# KiCad board SuperBrick2.kicad_pcb (continued)
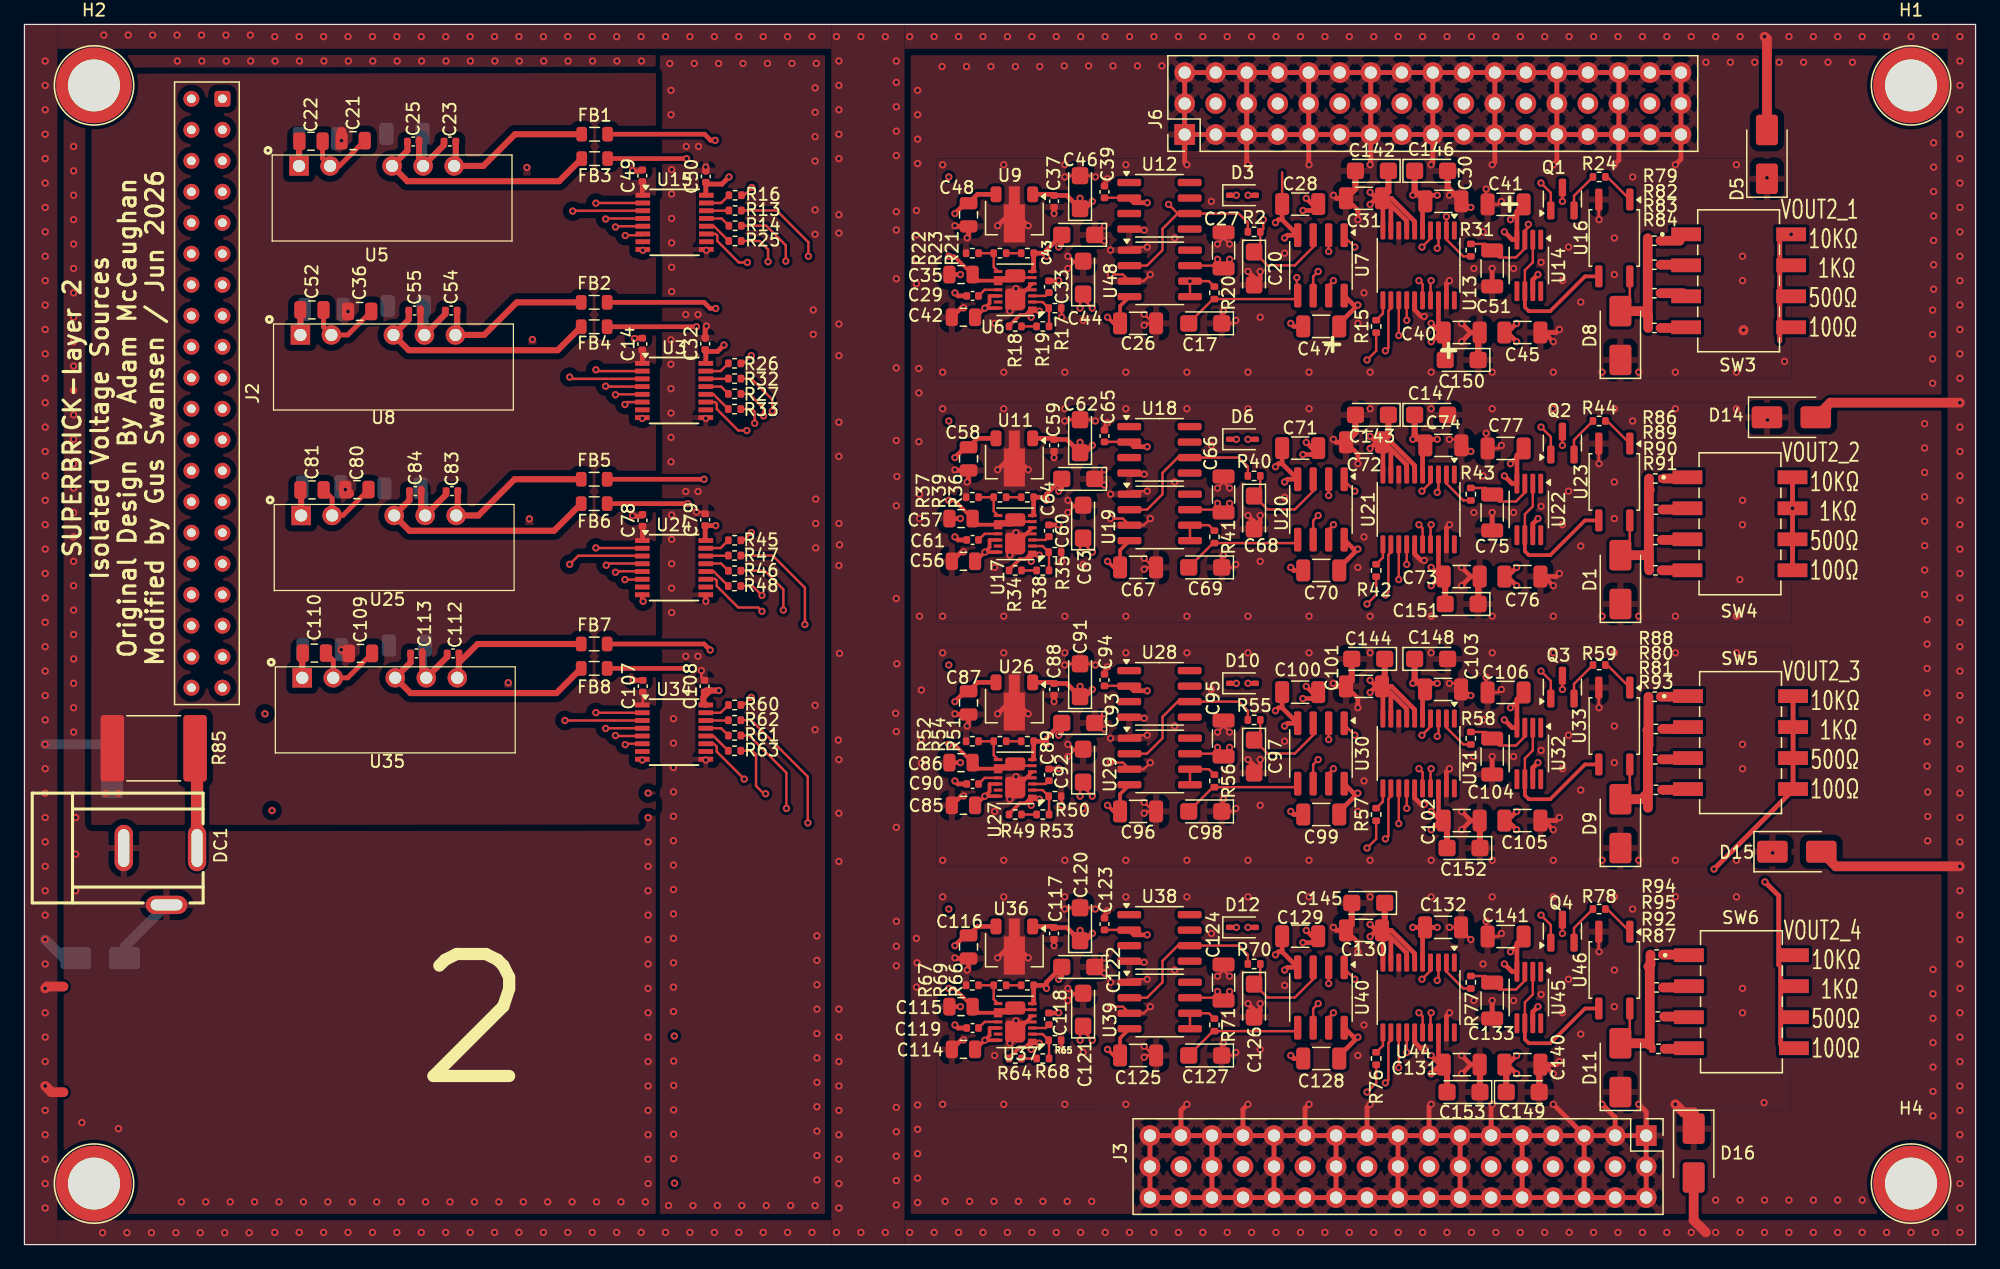
[diagram p0: board, top side]
## Routing (per net, layer and track width the routed paths; a pad name or vN(x,y) marks a point on that pad's centre or on a via; arc(x,y) is an arc through that point) (continued)
(no net):
  vias: v1(53.22,17.09) v1(53.24,5.03)
/CS1_2: length 37.6
  Top w0.2: U15.3 44.93,84.73 v1(44.9,84.7)
  In2.Cu w0.2: v1(44.9,84.7) 44.5,85.1 14.86,85.1 J2.8
  In4.Cu w0.2: 13.68,86.28 J2.8 13.67,86.28
/CS1_4: length 0
  In4.Cu w0.2: J2.10 13.64,83.74
/CS2_2: length 38
  Top w0.2: U3.3 44.8,70.95 v1(44.65,71.1)
  In2.Cu w0.2: J2.18 15.26,72 28.9,72 29.8,71.1 v1(44.65,71.1)
/CS2_5: length 0.1
  In2.Cu w0.2: 16.32,68.4 J2.21
/CS3_2: length 38.3
  Top w0.2: 50.6,56.45 45.35,56.45 v1(44.65,55.75)
  In2.Cu w0.2: J2.30 15.26,56.75 18.73,56.75 19.73,55.75 v1(44.65,55.75)
/CS4_2: length 40.3
  Top w0.2: 44.1,42.95 v1(44.27,42.95) U34.3
  In2.Cu w0.2: J2.36 14.63,49.77 16.29,49.77 22.47,43.59 43.63,43.59 v1(44.27,42.95)
/CS4_6: length 0.1
  In2.Cu w0.2: J2.40 13.76,45.64
/Isolated DAC1/+IN: length 4.4
  Top w0.2: R31.1 117.84,80.99 116.45,82.38 U13.2 v1(116.45,84.25)
/Isolated DAC1/+IN_LP: length 7.3
  Top w0.2: v1(123.16,83.62) 123.16,83.38 122.87,83.09 U14.3 122.87,81.63 122.14,80.9 120.77,80.9 C51.1 119.67,82.01 R31.2
/Isolated DAC1/AD5781-1/RELAY: length 69.1
  Top w0.2: R16.2 58.94,86 v1(59.57,86.63) ; Q1.1 125,86.2 v1(124.2,87)
  In4.Cu w0.2: v1(124.2,87) 123.45,87.75 91.58,87.75 90.58,86.75 74.7,86.75 v1(59.57,86.63)
/Isolated DAC1/AD5781-1/SCLK: length 60.5
  Top w0.2: R14.2 60.75,83.5 62.35,81.9 v1(62.35,80.6) ; v1(112.55,74.5) U13.13
  In4.Cu w0.2: v1(62.35,80.6) 75,74 112.05,74 v1(112.55,74.5)
/Isolated DAC1/AD5781-1/SDIN: length 60.2
  Top w0.2: R25.2 60.2,82.25 60.9,81.55 v1(60.9,80.55) ; U13.12 111.9,76.73 111.7,76.53 111.7,73.5 v1(111.45,73.25)
  In4.Cu w0.2: v1(111.45,73.25) 74.5,73.25 v1(60.9,80.55)
/Isolated DAC1/AD5781-1/SDO: length 59.9
  Top w0.2: U15.11 56.61,82.82 56.74,82.69 56.74,82.25 58.5,80.49 v1(59.2,80.49) ; R15.1 110.7,73.25 v1(109.95,72.5)
  In4.Cu w0.2: v1(59.2,80.49) 74,72.5 v1(109.95,72.5)
/Isolated DAC1/AD5781-1/VBUF: length 13.2
  Top w0.2: U14.6 122.87,79.85 123.52,80.5 U14.2
  Top w0.3: U16.3 127.8,79.35 124.95,76.5 123.2,76.5 122.87,76.82 U14.6
/Isolated DAC1/AD5781-1/~{SYNC}: length 60.4
  Top w0.2: R13.2 61.6,84.75 64.2,82.15 v1(64.2,81) ; v1(113.2,75.75) U13.14
  In4.Cu w0.2: v1(64.2,81) 75.5,74.75 111.56,74.75 112.56,75.75 v1(113.2,75.75)
/Isolated DAC1/VREFNEG1: length 3.5
  Top w0.2: U48.5 v1(95.45,78.96) 97,78.96 R20.1
/Isolated DAC1/VREFNEG2: length 11.5
  Top w0.2: v1(104.2,79.25) 104.2,77.84 U7.5 103.98,77.49 R20.2 97.34,77.49 C17.2
  In2.Cu w0.2: 104.1,79.35 v1(104.2,79.25)
/Isolated DAC1/VREFPOS1: length 14.6
  Top w0.2: U48.2 91.93,80.23 93.2,81.5 93.2,83.25 94.45,84.5 ; 94.45,84.5 U12.6 99.45,84.5 100.19,83.76 R2.1 ; 94.45,84.5 v1(93.7,85.25)
/Isolated DAC1/VREFPOS2: length 9.9
  Top w0.2: v1(101.45,84) 101.45,83.24 R2.2 101.21,81.86 C20.1 101.8,80.25 104.04,80.25 105.54,81.75 U7.3
/Isolated DAC2/+IN: length 3.3
  Top w0.2: U21.2 116.45,62.38 117.84,60.99 R43.1
/Isolated DAC2/+IN_LP: length 5.9
  Top w0.2: R43.2 119.67,62.01 C75.1 120.77,60.9 122.14,60.9 122.87,61.63 U22.3
/Isolated DAC2/AD5781-1/RELAY: length 70.3
  Top w0.2: v1(59.53,72.85) 58.89,72.22 R26.2 ; v1(124.2,67) 125,66.2 Q2.1
  In4.Cu w0.2: v1(124.2,67) 123.45,67.75 91.58,67.75 90.58,66.75 74.7,66.75 60.1,72.85 v1(59.53,72.85)
/Isolated DAC2/AD5781-1/SCLK: length 63.9
  Top w0.2: v1(112.55,54.5) U21.13 ; v1(60.53,67.92) 60.53,68.54 59.35,69.72 R27.2
  In4.Cu w0.2: v1(112.55,54.5) 112.05,54 74.9,54 61.19,67.71 60.99,67.71 60.78,67.92 v1(60.53,67.92)
/Isolated DAC2/AD5781-1/SDIN: length 64
  Top w0.2: v1(111.45,53.25) 111.7,53.5 111.7,56.53 111.9,56.73 U21.12 ; R33.2 59.59,68.47 59.8,68.26 v1(59.8,67.32)
  In4.Cu w0.2: v1(59.8,67.32) 60.63,67.32 74.7,53.25 v1(111.45,53.25)
/Isolated DAC2/AD5781-1/SDO: length 63.7
  Top w0.2: v1(59.16,66.72) 58.46,66.72 56.7,68.47 56.7,68.91 56.56,69.05 U3.11 ; R42.1 110.7,53.25 v1(109.95,52.5)
  In4.Cu w0.2: v1(109.95,52.5) 74.7,52.5 59.98,66.72 v1(59.16,66.72)
/Isolated DAC2/AD5781-1/VBUF: length 13.2
  Top w0.2: U22.2 123.52,60.5 122.87,59.85 U22.6
  Top w0.3: U22.6 122.87,56.83 123.2,56.5 124.95,56.5 127.8,59.35 U23.3
/Isolated DAC2/AD5781-1/~{SYNC}: length 63.9
  Top w0.2: v1(113.2,55.75) U21.14 ; R32.2 59.53,70.97 61.24,69.26 v1(61.24,68.31)
  In4.Cu w0.2: v1(61.24,68.31) 61.69,68.31 75.25,54.75 111.56,54.75 112.56,55.75 v1(113.2,55.75)
/Isolated DAC2/VREFNEG1: length 3.5
  Top w0.2: R41.1 97,58.96 U19.6 U19.5
/Isolated DAC2/VREFNEG2: length 9.9
  Top w0.2: C69.2 97.34,57.49 R41.2 103.98,57.49 U20.5
/Isolated DAC2/VREFPOS1: length 13.6
  Top w0.2: R40.1 100.19,63.76 99.45,64.5 U18.6 94.45,64.5 93.2,63.25 93.2,61.5 91.93,60.23 U19.2
/Isolated DAC2/VREFPOS2: length 8.8
  Top w0.2: R40.2 101.21,61.86 C68.1 101.8,60.25 104.04,60.25 105.54,61.75 U20.3
/Isolated DAC3/+IN: length 3.3
  Top w0.2: U31.2 116.45,42.38 117.84,40.99 R58.1
/Isolated DAC3/+IN_LP: length 5.9
  Top w0.2: U32.3 122.87,41.63 122.14,40.9 120.77,40.9 C104.1 119.67,42.01 R58.2
/Isolated DAC3/AD5781-1/RELAY: length 73.3
  Top w0.2: v1(124.2,47) 125,46.2 Q3.1 ; v1(59.53,58.35) 58.89,57.72 R45.2
  In4.Cu w0.2: v1(124.2,47) 123.45,47.75 91.58,47.75 90.58,46.75 74.2,46.75 60.1,58.35 v1(59.53,58.35)
/Isolated DAC3/AD5781-1/SCLK: length 68.6
  Top w0.2: R46.2 60.63,55.22 62.15,53.7 v1(62.15,52) ; v1(112.55,34.5) U31.13
  In4.Cu w0.2: v1(112.55,34.5) 112.05,34 75,34 v1(62.15,52)
/Isolated DAC3/AD5781-1/SDIN: length 67.8
  Top w0.2: v1(60.4,53.2) 59.63,53.97 R48.2 ; v1(111.45,33.25) 111.7,33.5 111.7,36.53 111.9,36.73 U31.12
  In4.Cu w0.2: v1(60.4,53.2) 74.5,33.25 v1(111.45,33.25)
/Isolated DAC3/AD5781-1/SDO: length 68.1
  Top w0.2: v1(60.4,51.9) 60.08,52.22 58.46,52.22 56.7,53.97 56.7,54.41 56.56,54.55 55.8,54.55 ; R57.1 110.7,33.25 v1(109.95,32.5)
  In4.Cu w0.2: v1(109.95,32.5) 74,32.5 v1(60.4,51.9)
/Isolated DAC3/AD5781-1/VBUF: length 13.2
  Top w0.2: U32.6 122.87,39.85 123.52,40.5 U32.2
  Top w0.3: U33.3 127.8,39.35 124.95,36.5 123.2,36.5 122.87,36.83 U32.6
/Isolated DAC3/AD5781-1/~{SYNC}: length 68.9
  Top w0.2: v1(63.92,50.82) 63.92,53.83 61.28,56.47 R47.2 ; v1(113.2,35.75) U31.14
  In4.Cu w0.2: 63.9,50.8 75.5,34.75 111.56,34.75 112.56,35.75 v1(113.2,35.75)
/Isolated DAC3/VREFNEG1: length 3.5
  Top w0.2: R56.1 97,38.96 U29.6 U29.5
/Isolated DAC3/VREFNEG2: length 9.9
  Top w0.2: C98.2 97.34,37.49 R56.2 103.98,37.49 104.27,37.77
/Isolated DAC3/VREFPOS1: length 13.6
  Top w0.2: U29.2 91.93,40.23 93.2,41.5 93.2,43.25 94.45,44.5 U28.6 99.45,44.5 100.19,43.76 R55.1
/Isolated DAC3/VREFPOS2: length 8.8
  Top w0.2: U30.3 105.54,41.75 104.04,40.25 101.8,40.25 C97.1 101.21,41.86 R55.2
/Isolated DAC4/+IN: length 3.3
  Top w0.2: U44.2 116.45,22.38 117.84,20.99 R77.1
/Isolated DAC4/+IN_LP: length 5.9
  Top w0.2: R77.2 119.67,22.01 C133.1 120.77,20.9 122.14,20.9 122.87,21.63 U45.3
/Isolated DAC4/AD5781-1/RELAY: length 77.7
  Top w0.2: v1(124.2,27) 125,26.2 Q4.1 ; v1(59.53,44.85) 58.89,44.22 R60.2
  In4.Cu w0.2: v1(124.2,27) 123.45,27.75 91.58,27.75 90.58,26.75 74.7,26.75 59.85,44.85 v1(59.53,44.85)
/Isolated DAC4/AD5781-1/SCLK: length 74.2
  Top w0.2: v1(62.4,35.75) 62.4,38.67 59.35,41.72 R61.2 ; v1(112.55,14.5) U44.13
  In4.Cu w0.2: v1(112.55,14.5) 112.05,14 74,14 v1(62.4,35.75)
/Isolated DAC4/AD5781-1/SDIN: length 74.2
  Top w0.2: U44.12 111.9,16.73 111.7,16.53 111.7,13.5 v1(111.45,13.25) ; R63.2 59.59,40.47 59.91,40.14 59.91,37.59 60.55,36.95 v1(60.7,36.95)
  In4.Cu w0.2: v1(60.7,36.95) 73.5,13.25 v1(111.45,13.25)
/Isolated DAC4/AD5781-1/SDO: length 73.3
  Top w0.2: v1(58.95,38.15) 56.7,40.4 56.7,40.8 56.45,41.05 U34.11 ; v1(109.95,12.5) 110.7,13.25 R76.1
  In4.Cu w0.2: v1(58.95,38.15) 73,12.5 v1(109.95,12.5)
/Isolated DAC4/AD5781-1/VBUF: length 13.2
  Top w0.2: U45.6 122.87,19.85 123.52,20.5 U45.2
  Top w0.3: U45.6 122.87,16.83 123.2,16.5 124.95,16.5 127.8,19.35 U46.3
/Isolated DAC4/AD5781-1/~{SYNC}: length 74.2
  Top w0.2: v1(113.2,15.75) U44.14 ; R62.2 59.53,42.97 64.15,38.35 64.15,34.57 v1(64.16,34.56)
  In4.Cu w0.2: 64.15,34.55 74.7,14.75 111.56,14.75 112.56,15.75 v1(113.2,15.75)
/Isolated DAC4/VREFNEG1: length 3.5
  Top w0.2: U39.5 U39.6 97,18.96 R71.1
/Isolated DAC4/VREFNEG2: length 9.9
  Top w0.2: 104.27,17.77 103.98,17.49 R71.2 97.34,17.49 C127.2
/Isolated DAC4/VREFPOS1: length 13.6
  Top w0.2: R70.1 100.19,23.76 99.45,24.5 U38.6 94.45,24.5 93.2,23.25 93.2,21.5 91.93,20.23 U39.2
/Isolated DAC4/VREFPOS2: length 8.8
  Top w0.2: U40.3 105.54,21.75 104.04,20.25 101.8,20.25 C126.1 101.21,21.86 R70.2
/OUTPUT_EN: length 57.5
  Top w0.2: v1(46.8,43.6) 46.81,43.59 U34.2 ; 50.6,57.09 46.81,57.09 v1(46.8,57.1) ; U3.2 46.91,71.59 v1(46.8,71.7) ; v1(46.8,85.35) 46.81,85.36 U15.2
  In4.Cu w0.2: 46.8,70.35 46.8,70 ; 46.8,70 v1(46.8,57.1) v1(46.8,43.6) ; 46.8,70 v1(46.8,71.7) ; v1(46.8,71.7) v1(46.8,85.35) ; v1(46.8,71.7) 46.8,71.58
/SCLK: length 87.1
  Top w0.2: 50.6,55.82 47.79,55.82 v1(47.65,55.67) ; v1(47.6,70.35) 47.62,70.32 48.03,70.32 48.04,70.32 U3.4 ; v1(47.6,42.3) 47.62,42.32 U34.4 ; v1(47.6,84.05) 47.64,84.09 U15.4
  In2.Cu w0.2: v1(47.6,70.35) 43.35,66.1 16.36,66.1 J2.23
  In4.Cu w0.2: v1(47.6,84.05) v1(47.6,70.35) 47.6,55.72 v1(47.65,55.67) 47.6,55.62 v1(47.6,42.3)
/SDIN: length 87.8
  Top w0.2: U15.5 48.46,83.46 v1(48.4,83.4) ; v1(48.4,41.72) 48.6,41.72 48.63,41.68 U34.5 ; U3.5 48.63,69.68 48.6,69.65 v1(48.4,69.65) ; 50.6,55.18 48.71,55.18 48.62,55.1 v1(48.4,55.1)
  In2.Cu w0.2: J2.24 14.34,65.29 15.53,65.29 15.82,65 16.61,65 16.9,65.29 44.24,65.29 48.4,69.45 v1(48.4,69.65)
  In4.Cu w0.2: v1(48.4,83.4) v1(48.4,69.65) v1(48.4,55.1) v1(48.4,41.72)
/SDO: length 82.9
  Top w0.2: v1(49.2,40.97) 49.27,41.05 U34.6 ; 50.6,54.55 50.55,54.5 v1(49.17,54.5) ; U15.6 50.54,82.72 49.22,82.72 v1(49.2,82.7) ; v1(49.17,68.85) 49.37,69.05 U3.6
  In2.Cu w0.2: v1(49.17,68.85) 44.83,64.5 17.29,64.5 J2.25
  In4.Cu w0.2: v1(49.2,40.97) 49.2,54.47 v1(49.17,54.5) 49.2,54.52 49.2,68.82 v1(49.17,68.85) 49.2,68.88 v1(49.2,82.7)
/VOUT1: length 12.9
  Top w0.2: U16.4 131.47,77.27 D8.2
  Top w0.8: 132.94,76.12 132.97,76.1 R84.1 ; 132.94,76.12 132.56,76.5 D8.2 ; 132.94,76.12 132.94,82.47
/VOUT2: length 13.8
  Top w0.2: D1.2 131.47,57.27 U23.4
  Top w0.8: 133.03,55.97 133.03,61.79 ; 133.03,55.97 133.03,55.46 ; 133.03,55.97 133.06,55.95 R91.1 ; 133.03,61.79 133.11,61.86 ; 133.03,61.79 133.03,62.06 133.04,62.07 R86.1 ; 133.03,56.77 132.77,56.5 D1.2
/VOUT2_1_MUX: length 46.2
  Top w0.2: v1(144.68,82.8) 145.53,82.8
  Top w0.4: 143.75,82.45 143.75,74.06
  In2.Cu w0.4: J6.23 114.09,92.23 115.85,92.23 116.6,91.48 116.6,90.48 119.9,87.18 121.5,87.18 122.38,86.3 126.97,86.3 127.17,86.1 141.47,86.1 141.47,86.01 v1(144.68,82.8)
/VOUT2_2_MUX: length 81.6
  Top w0.4: SW4.8 SW4.5
  In2.Cu w0.4: v1(144.79,60.34) 144.79,68.12 143.12,69.79 105.2,69.79 102.5,72.49 102.5,82.81 103.89,84.2 103.89,92.27 J6.11
/VOUT2_3_MUX: length 82.8
  Top w0.4: v1(138.37,30.78) 144.84,37.25 SW5.5 SW5.8
  In2.Cu w0.4: v1(138.37,30.78) 98.37,30.78 95.96,28.37 95.96,7.64 J3.47
/VOUT2_4_MUX: length 75.9
  Top w0.4: 143.82,16.44 143.82,22.78 143.67,22.94 143.67,28.59 v1(142.53,29.72)
  In2.Cu w0.4: v1(142.53,29.72) 105.43,29.72 103.9,28.19 103.9,20.5 104.4,20 104.4,10.23 103.62,9.45 103.62,7.64 J3.35
/VOUT3: length 16.1
  Top w0.2: U33.4 131.47,37.27 D9.2
  Top w0.8: 132.96,40.88 133,40.92 R88.1 ; 132.96,40.88 132.96,35.8 ; 132.96,40.88 132.96,42.1 132.91,42.15 ; 132.98,37.05 132.43,36.5 D9.2
/VOUT4: length 13.1
  Top w0.2: U46.4 131.47,17.27 D11.2
  Top w0.8: R94.1 133.16,22.94 133,22.78 133.1,22.69 133.1,16.36 132.96,16.5 D11.2
MD_GND_ISO: length 703.9
  Top w0.2: v1(87.7,67.5) 87.6,67.6 C62.2 85.3,67.6 v1(85.2,67.5) ; C79.2 55.75,59.94 55.65,60.04 v1(55.04,60.04) ; v1(88.45,23.5) 87.7,22.75 C122.1 87.95,22.75 v1(88.45,22.25) ; R35.2 84.95,56.7 v1(84.95,56) ; v1(128.95,64) 128.93,64.02 U23.2 ; v1(99.2,15.75) 98.95,15.5 C127.1 98.05,16.35 v1(98.2,16.5) ; v1(92.2,79.5) 91.66,78.96 U48.3 89.96,79.5 v1(88.95,79.5) ; v1(92.2,39.5) 91.66,38.96 U29.3 89.96,39.5 v1(88.95,39.5) ; 98.2,42.5 v1(98.7,42) ; 98.2,42.5 C95.1 ; 98.2,42.5 v1(97.7,42) ; v1(119.7,66.5) 119.7,65.38 C77.2 120.7,65.25 v1(120.95,65.5) ; v1(88.7,27.35) 88.45,27.1 C123.2 ; v1(116.7,26) C132.2 117.65,25.8 v1(118.45,25) ; v1(91.95,61.75) 90.75,61.75 U19.1 ; U29.1 90.75,41.75 v1(91.95,41.75) ; U46.2 128.93,24.02 v1(128.95,24) ; R17.2 84.95,76.7 v1(84.95,76) ; v1(99.2,55.75) 98.95,55.5 C69.1 98.05,56.35 v1(98.2,56.5) ; v1(128.95,84) 128.93,84.02 U16.2 ; v1(87.7,87.5) 87.6,87.6 C46.2 85.3,87.6 v1(85.2,87.5) ; v1(98.2,76.5) 98.05,76.35 C17.1 98.95,75.5 v1(99.2,75.75) ; v1(88.7,47.35) 88.45,47.1 C94.2 ; v1(120.95,25.5) 120.7,25.25 C141.2 119.7,25.38 v1(119.7,26.5) ; v1(119.7,46.5) 119.7,45.38 C106.2 120.7,45.25 v1(120.95,45.5) ; v1(88.45,63.5) 87.7,62.75 C64.1 87.95,62.75 v1(88.45,62.25) ; C27.1 98.2,82.5 ; 98.2,82.5 v1(97.7,82) ; 98.2,82.5 v1(98.7,82) ; v1(91.95,81.75) 90.75,81.75 U48.1 ; v1(128.95,44) 128.93,44.02 U33.2 ; v1(85.2,27.5) 85.3,27.6 C120.2 87.6,27.6 v1(87.7,27.5) ; v1(91.7,55.35) 91.85,55.5 C67.2 92.45,55.5 v1(91.7,56.25) ; v1(91.7,75.35) 91.85,75.5 C26.2 92.45,75.5 v1(91.7,76.25) ; U39.1 90.75,21.75 v1(91.95,21.75) ; C66.1 98.2,62.5 ; 98.2,62.5 v1(97.7,62) ; 98.2,62.5 v1(98.7,62) ; v1(85.45,81) 85.85,80.6 C44.2 86.05,80.6 v1(85.45,80) ; R50.2 84.95,36.7 v1(84.95,36) ; C65.2 88.45,67.1 v1(88.7,67.35) ; v1(85.45,21) 85.85,20.6 C121.2 86.05,20.6 v1(85.45,20) ; v1(99.2,35.75) 98.95,35.5 C98.1 98.05,36.35 v1(98.2,36.5) ; C124.1 98.2,22.5 ; 98.2,22.5 v1(98.7,22) ; 98.2,22.5 v1(97.7,22) ; v1(85.45,41) 85.85,40.6 C92.2 86.05,40.6 v1(85.45,40) ; v1(88.95,59.5) 89.96,59.5 U19.3 91.66,58.96 v1(92.2,59.5) ; v1(116.7,86) 117.17,86 C30.2 117.95,85.5 v1(118.45,85) ; v1(91.7,15.35) 91.85,15.5 C125.2 92.45,15.5 v1(91.7,16.25) ; v1(88.45,83.5) 87.7,82.75 C43.1 87.95,82.75 v1(88.45,82.25) ; v1(84.95,16) 84.95,16.7 R65.2 ; v1(116.7,66) 117.17,66 C74.2 117.95,65.5 v1(118.45,65) ; v1(88.45,43.5) 87.7,42.75 C93.1 87.95,42.75 v1(88.45,42.25) ; v1(119.7,86.5) 119.7,85.38 C41.2 120.7,85.25 v1(120.95,85.5) ; v1(55.43,47.04) 55.43,46.51 C108.2 ; v1(92.2,19.5) 91.66,18.96 U39.3 89.96,19.5 v1(88.95,19.5) ; v1(85.45,61) 85.85,60.6 C63.2 86.05,60.6 v1(85.45,60) ; v1(118.45,45) 117.95,45.5 C103.2 117.15,46 v1(116.7,46) ; v1(87.7,47.5) 87.6,47.6 C91.2 85.3,47.6 v1(85.2,47.5) ; C39.2 88.45,87.1 v1(88.7,87.35) ; v1(91.7,35.35) 91.85,35.5 C96.2 92.45,35.5 v1(91.7,36.25)
  Top w0.3: v1(81.2,78.35) 81.14,78.29 U6.4 ; U37.4 81.25,17.46 U37.5 ; U37.4 81.14,18.29 v1(81.2,18.35) ; U37.4 81.14,16.94 v1(80.7,16.5) ; U6.4 81.14,76.94 v1(80.7,76.5) ; U6.4 81.25,77.46 U6.5 ; U27.4 81.14,38.29 v1(81.2,38.35) ; U27.4 81.25,37.46 U27.5 ; U27.4 81.14,36.94 v1(80.7,36.5) ; v1(80.7,56.5) 81.14,56.94 U17.4 ; v1(81.2,58.35) 81.14,58.29 U17.4 ; U17.5 81.25,57.46 U17.4
  Top w0.381: 118.45,34.75 v1(117.7,35.5) ; 118.45,34.75 v1(117.7,34) ; 118.45,34.75 C102.2 ; v1(116.7,19) 116.45,18.75 U44.19 ; v1(114.63,56.07) 114.39,56.07 113.85,56.6 U21.15 ; v1(84.32,24.5) C117.1 ; v1(101.2,79.75) 101.2,79.15 C20.2 100.7,79.25 v1(100.2,79.75) ; v1(77.2,62.5) 77.32,62.62 C58.2 76.25,63.44 v1(76.2,63.5) ; v1(82.2,83.5) 81.07,84.63 U9.2 81.07,84.87 v1(79.7,83.5) ; v1(117.7,54) 118.45,54.75 ; 118.45,54.75 v1(117.7,55.5) ; 118.45,54.75 C73.2 ; 130.2,32.5 D9.1 131.2,32.5 ; v1(107.2,86) 107.45,85.75 C31.2 109.2,84.78 v1(109.2,84) ; v1(125.7,15) 125.45,14.75 C140.2 124.45,14.75 v1(125.2,14) ; v1(76.91,56.77) 76.72,56.77 C56.2 ; v1(77.2,42.5) 77.32,42.62 C87.2 76.25,43.44 v1(76.2,43.5) ; v1(125.7,75) 125.45,74.75 C45.2 124.45,74.75 v1(125.2,74) ; v1(117.7,14) 118.45,14.75 ; 118.45,14.75 C131.2 ; 118.45,14.75 v1(117.7,15.5) ; v1(77.2,82.5) 77.32,82.62 C48.2 76.25,83.44 v1(76.2,83.5) ; v1(76.91,36.77) 76.72,36.77 C85.2 ; v1(84.32,44.5) C88.1 ; v1(117.7,74) 118.45,74.75 ; 118.45,74.75 C40.2 ; 118.45,74.75 v1(117.7,75.5) ; U31.15 113.85,36.6 114.39,36.07 v1(114.63,36.07) ; v1(125.2,54) 124.45,54.75 C76.2 125.45,54.75 v1(125.7,55) ; v1(76.91,76.77) 76.72,76.77 C42.2 ; v1(107.2,46) 107.45,45.75 C101.2 109.2,44.77 v1(109.2,44) ; v1(114.63,16.07) 114.39,16.07 113.85,16.6 U44.15 ; v1(55.84,81.49) U15.9 ; v1(84.32,64.5) C59.1 ; v1(79.7,43.5) 81.07,44.87 U26.2 81.07,44.63 v1(82.2,43.5) ; v1(101.2,19.75) 101.2,19.15 C126.2 100.7,19.25 v1(100.2,19.75) ; v1(125.2,34) 124.45,34.75 C105.2 125.45,34.75 v1(125.7,35) ; v1(116.7,39) 116.45,38.75 U31.19 ; v1(91.7,23.13) 90.57,23.13 U38.4 ; U13.19 116.45,78.75 v1(116.7,79) ; U13.15 113.85,76.6 114.39,76.07 v1(114.63,76.07) ; U28.4 90.57,43.13 v1(91.7,43.13) ; v1(109.2,24) 109.2,24.77 C130.2 107.45,25.75 v1(107.2,26) ; v1(101.2,59.75) 101.2,59.15 C68.2 100.7,59.25 v1(100.2,59.75) ; v1(76.65,79.5) C35.2 ; v1(100.2,39.75) 100.7,39.25 C97.2 101.2,39.15 v1(101.2,39.75) ; C75.2 v1(120.2,60) ; v1(55.8,67.71) U3.9 ; U21.19 116.45,58.75 v1(116.7,59) ; 130.2,72.5 D8.1 131.2,72.5 ; v1(91.7,63.13) 90.57,63.13 U18.4 ; v1(76.2,23.5) 76.25,23.44 C116.2 77.32,22.62 v1(77.2,22.5) ; C114.2 76.72,16.77 v1(76.91,16.77) ; v1(91.7,83.13) 90.57,83.13 U12.4 ; v1(82.2,63.5) 81.07,64.63 U11.2 81.07,64.87 v1(79.7,63.5) ; v1(76.65,59.5) C57.2 ; 131.2,12.5 D11.1 130.2,12.5 ; v1(82.2,23.5) 81.07,24.63 U36.2 81.07,24.87 v1(79.7,23.5) ; v1(55.8,52.72) 55.8,52.72 55.8,53.28 ; v1(84.32,84.5) C37.1 ; v1(109.2,64) 109.2,64.78 C72.2 107.45,65.75 v1(107.2,66) ; 131.2,52.5 D1.1 130.2,52.5 ; C104.2 v1(120.2,40) ; 120.2,78.53 v1(120.2,80) ; v1(76.65,19.5) C115.2 ; v1(76.65,39.5) C86.2 ; v1(55.8,39.71) U34.9 ; C133.2 v1(120.2,20)
  Top w0.4: 55.75,74.16 55.75,75.18 v1(55.85,75.28) ; J6.49 J6.51 J6.3 J6.1 ; J6.49 135.66,88.96 v1(135.2,88.5) ; J6.49 J6.1 ; J6.15 J6.13 105.18,88.52 v1(105.2,88.5) ; v1(125.2,88.5) 125.5,88.8 J6.37 J6.39 ; v1(129.2,11.5) 130.27,10.43 J3.4 ; J3.16 120.11,11.41 v1(120.2,11.5) ; J6.45 J6.43 130.58,88.88 v1(130.2,88.5) ; v1(95.2,11.5) 94.71,11.01 J3.46 ; J6.21 J6.19 110.26,88.56 v1(110.2,88.5) ; v1(115.2,88.5) 115.34,88.64 J6.25 J6.27 ; J3.34 104.87,11.17 v1(105.2,11.5) ; J6.1 95.02,88.68 v1(95.2,88.5) ; J3.1 J3.3 J3.51 J3.49 J3.1 ; J3.1 132.81,10.89 v1(132.2,11.5) ; J3.40 99.79,11.09 v1(100.2,11.5) ; J3.22 115.03,11.33 v1(115.2,11.5) ; J6.9 J6.7 100.1,88.6 v1(100.2,88.5) ; v1(143.18,32.1) 143.15,32.12 D15.1 ; J3.25 J3.27 ; J3.37 J3.39 ; J3.13 J3.15 ; 55.8,87.87 55.8,88.31 v1(55.8,88.31) ; v1(125.2,11.5) 127.73,8.97 J3.7 J3.9 ; J3.19 J3.21 ; v1(120.2,88.5) 120.42,88.72 J6.31 J6.33 ; J3.28 109.95,11.25 v1(110.2,11.5) ; J3.43 J3.45 ; J3.31 J3.33
  Top w0.5: C72.2 109,66.53 C143.2 ; C130.2 108.7,26.22 C145.2 ; C146.2 116.55,86.62 C30.2 ; C144.2 108.7,46.22 C101.2 ; C40.2 119.05,74.62 C150.1 ; 32.32,90.59 C25.1 32.32,88.73 U5.5 34.36,90.11 C23.2 ; 32.43,76.74 C55.1 32.43,74.88 U8.5 34.47,76.26 C54.2 ; C149.2 124.05,14.65 C140.2 ; C152.1 119.2,34.72 C102.2 ; C83.2 34.53,61.47 U25.5 32.49,60.08 C84.1 32.49,61.94 ; C151.1 119.05,54.62 C73.2 ; C112.2 34.62,48.16 U35.5 32.58,46.78 C113.1 32.58,48.64 ; C131.2 119.2,14.72 C153.1 ; C31.2 109,86.53 C142.2
  Top w0.8: 140.78,74.92 140.78,74.94 v1(140.78,74.95) ; D14.1 142.7,67.62 v1(142.75,67.57) ; D5.1 v1(142.7,87.42) ; D16.1 136.7,10.84 135.86,10.84 v1(135.2,11.5)
  In3.Cu w1: U8.5 34.43,76.22 v1(55.16,76.22) ; v1(55.16,61.72) 34.79,61.72 U25.5 ; U35.5 34.68,48.22 v1(55.16,48.22) ; U5.5 34.25,90 v1(55.2,90)
  In4.Cu w0.4: 140.53,54.45 v1(140.48,54.5) ; 144.14,70.16 v1(144.14,72.38)
  Bottom w0.4: U35.5 32.79,46.57 C111.2
  Bottom w0.5: C82.2 32.82,61.58 U25.5
  Bottom w0.8: C53.2 32.69,74.62 U8.5 ; C24.2 32.59,88.46 U5.5
  vias: v1(52.75,3.2) v1(52.85,96.8) v1(52.95,94.6) v1(52.95,92.6) v1(53,88.1) v1(53,86.1) v1(53,84.1) v1(53,82.1) v1(53,80.1) v1(53,78.1) v1(52.95,74.15) v1(52.95,72.15) v1(52.95,70.15) v1(52.95,68.15) v1(52.95,66.15) v1(52.95,64.15) v1(53,59.8) v1(53,57.8) v1(53,55.8) v1(53,53.8) v1(53,51.8) v1(53.15,43.1) v1(53.15,41.1) v1(53.15,39.1) v1(53.15,37.1) v1(53.15,35.1) v1(53.15,33.1) v1(53.15,31.1) v1(53.15,29.1) v1(53.15,27.1) v1(53.15,25.1) v1(53.15,23.1) v1(53.15,21.1) v1(53.15,19.1) v1(53.17,15.04) v1(53.17,13.04) v1(53.17,11.04) v1(53.17,9.04) v1(53.17,7.04) v1(54.2,90) v1(54.16,76.22) v1(54.16,61.72) v1(54.16,48.22) v1(54.75,3.2) v1(54.85,96.8) v1(56.75,3.2) v1(56.85,96.8) v1(58.75,3.2) v1(58.85,96.8) v1(60.75,3.2) v1(60.85,96.8) v1(62.75,3.2) v1(62.85,96.8) v1(64.6,76.6) v1(64.6,74.6) v1(64.75,94.8) v1(64.75,92.8) v1(64.75,90.8) v1(64.75,88.8) v1(64.75,84.8) v1(64.75,82.8) v1(64.8,61.1) v1(64.8,59.1) v1(64.8,57.1) v1(64.75,44.2) v1(64.75,42.2) v1(64.75,3.2) v1(64.85,96.8) v1(64.9,25.3) v1(64.9,23.3) v1(64.9,21.3) v1(64.9,19.3) v1(64.9,17.3) v1(64.9,15.3) v1(64.9,13.3) v1(64.9,11.3) v1(64.9,9.3) v1(64.9,7.3) v1(64.9,5.3) v1(73.05,84.75) v1(73.05,82.75) v1(73.05,80.75) v1(73.05,78.75) v1(73.05,25.1) v1(73.1,23.1) v1(73.05,21.1) v1(73.15,94.6) v1(73.15,92.6) v1(73.15,90.6) v1(73.15,88.6) v1(73.15,11.45) v1(73.15,9.45) v1(73.15,7.45) v1(73.15,5.45) v1(73.15,3.45) v1(73.25,71.8) v1(73.25,69.8) v1(73.25,65.8) v1(73.3,61.5) v1(73.3,59.5) v1(73.3,51.5) v1(73.45,45.45) v1(73.45,41.45) v1(73.45,39.45) v1(75.15,96.55) v1(75.2,88.5) v1(75.2,71.5) v1(75.2,68.5) v1(75.2,51.5) v1(75.2,48.5) v1(75.2,31.5) v1(75.2,28.5) v1(75.2,11.5) v1(75.4,3.55) v1(77.15,96.55) v1(77.4,3.55) v1(79.15,96.55) v1(79.4,3.55) v1(79.45,75.5) v1(79.45,55.5) v1(79.45,35.5) v1(79.45,15.5) v1(80.2,88.5) v1(80.2,71.5) v1(80.2,68.5) v1(80.2,51.5) v1(80.2,48.5) v1(80.2,31.5) v1(80.2,28.5) v1(80.2,11.5) v1(81.15,96.55) v1(81.4,3.55) v1(83.15,96.55) v1(83.4,3.55) v1(85.15,96.6) v1(85.2,88.5) v1(85.2,71.5) v1(85.2,68.5) v1(85.2,51.5) v1(85.2,48.5) v1(85.2,31.5) v1(85.2,28.5) v1(85.2,11.5) v1(85.4,3.55) v1(86.7,75.75) v1(86.7,55.75) v1(86.7,35.75) v1(86.7,15.75) v1(87.15,96.6) v1(87.4,3.55) v1(88.95,81.5) v1(88.95,61.5) v1(88.95,41.5) v1(88.95,21.5) v1(89.15,96.6) v1(90.2,88.5) v1(90.2,71.5) v1(90.2,68.5) v1(90.2,51.5) v1(90.2,48.5) v1(90.2,31.5) v1(90.2,28.5) v1(90.2,11.5) v1(91.15,96.6) v1(93.15,96.6) v1(94.2,82.5) v1(94.2,62.5) v1(94.2,42.5) v1(94.2,22.5) v1(95.2,71.5) v1(95.2,68.5) v1(95.2,51.5) v1(95.2,48.5) v1(95.2,31.5) v1(95.2,28.5) v1(97.2,85.5) v1(97.2,65.5) v1(97.2,45.5) v1(97.2,25.5) v1(100.2,71.5) v1(100.2,68.5) v1(100.2,51.5) v1(100.2,48.5) v1(100.2,31.5) v1(100.2,28.5) v1(101.2,76) v1(101.2,56) v1(101.2,36) v1(101.2,16) v1(103.2,81.25) v1(103.2,61.25) v1(103.2,41.25) v1(103.2,21.25) v1(105.2,71.5) v1(105.2,68.5) v1(105.2,51.5) v1(105.2,48.5) v1(105.2,31.5) v1(105.2,28.5) v1(109.2,75.5) v1(109.2,55.5) v1(109.2,35.5) v1(109.2,15.5) v1(109.7,78) v1(109.7,58) v1(109.7,38) v1(109.7,18) v1(110.2,71.5) v1(110.2,68.5) v1(110.2,51.5) v1(110.2,48.5) v1(110.2,31.5) v1(110.2,28.5) v1(115.2,71.5) v1(115.2,68.5) v1(115.2,51.5) v1(115.2,48.5) v1(115.2,31.5) v1(115.2,28.5) v1(118.7,80) v1(118.7,60) v1(118.7,40) v1(118.7,20) v1(119.45,83) v1(119.45,63) v1(119.45,43) v1(119.45,23) v1(120.2,71.5) v1(120.2,68.5) v1(120.2,51.5) v1(120.2,48.5) v1(120.2,31.5) v1(120.2,28.5) v1(121.95,80) v1(121.95,60) v1(121.95,40) v1(121.95,20) v1(124.2,80.5) v1(124.2,60.5) v1(124.2,40.5) v1(124.2,20.5) v1(125.2,71.5) v1(125.2,68.5) v1(125.2,51.5) v1(125.2,48.5) v1(125.2,31.5) v1(125.2,28.5) v1(125.95,79) v1(125.95,59) v1(125.95,39) v1(125.95,19) v1(126.45,81.75) v1(126.45,61.75) v1(126.45,41.75) v1(126.45,21.75) v1(127.45,77.25) v1(127.45,57.25) v1(127.45,37.25) v1(127.45,17.25) v1(129.2,71.5) v1(129.2,51.5) v1(129.2,31.5) v1(130.2,82.5) v1(130.2,79.5) v1(130.2,68.5) v1(130.2,62.5) v1(130.2,59.5) v1(130.2,48.5) v1(130.2,42.5) v1(130.2,39.5) v1(130.2,28.5) v1(130.2,22.5) v1(130.2,19.5) v1(131.7,87.5) v1(131.7,67.5) v1(131.7,27.5) v1(132.2,71.5) v1(132.2,51.5) v1(132.2,31.5) v1(135.2,71.5) v1(135.2,68.5) v1(135.2,51.5) v1(135.2,48.5) v1(135.2,31.5) v1(135.2,28.5) v1(137.7,96.9) v1(138.5,3.65) v1(139.7,96.9) v1(140.2,88.5) v1(140.2,71.5) v1(140.2,68.5) v1(140.2,51.5) v1(140.2,48.5) v1(140.2,31.5) v1(140.2,28.5) v1(140.5,3.65) v1(140.7,81) v1(140.7,79) v1(140.7,61) v1(140.7,59) v1(140.7,41) v1(140.7,39) v1(140.7,21) v1(140.7,19) v1(141.7,96.9) v1(142.47,11.63) v1(142.5,3.65) v1(143.7,96.9) v1(144.5,3.65) v1(145.7,96.9) v1(146.5,3.65) v1(147.7,96.9) v1(148.5,3.65) v1(149.7,96.9) v1(150.5,3.65) v1(155.61,67.27) v1(155.61,65.29) v1(155.61,63.29) v1(155.61,61.29) v1(155.61,59.29) v1(155.61,57.29) v1(155.61,55.29) v1(155.61,53.29) v1(155.82,51.21) v1(155.82,49.21) v1(155.82,47.21) v1(155.82,45.21) v1(155.82,43.21) v1(155.82,41.21) v1(155.82,39.21) v1(155.87,37.09) v1(155.87,35.09) v1(155.87,33.09) v1(156.27,76.59) v1(156.27,74.59) v1(156.27,72.59) v1(156.27,70.59) v1(156.3,22.55) v1(156.3,20.55) v1(156.3,18.55) v1(156.3,16.55) v1(156.3,14.55) v1(156.3,12.55) v1(156.3,10.55) v1(156.35,90.3) v1(156.35,88.3) v1(156.35,86.3) v1(156.35,84.3) v1(156.35,82.3) v1(156.35,80.3) v1(156.35,78.3)